# Altium PCB MBoard.PcbDoc (part 2 of 2) (continued)
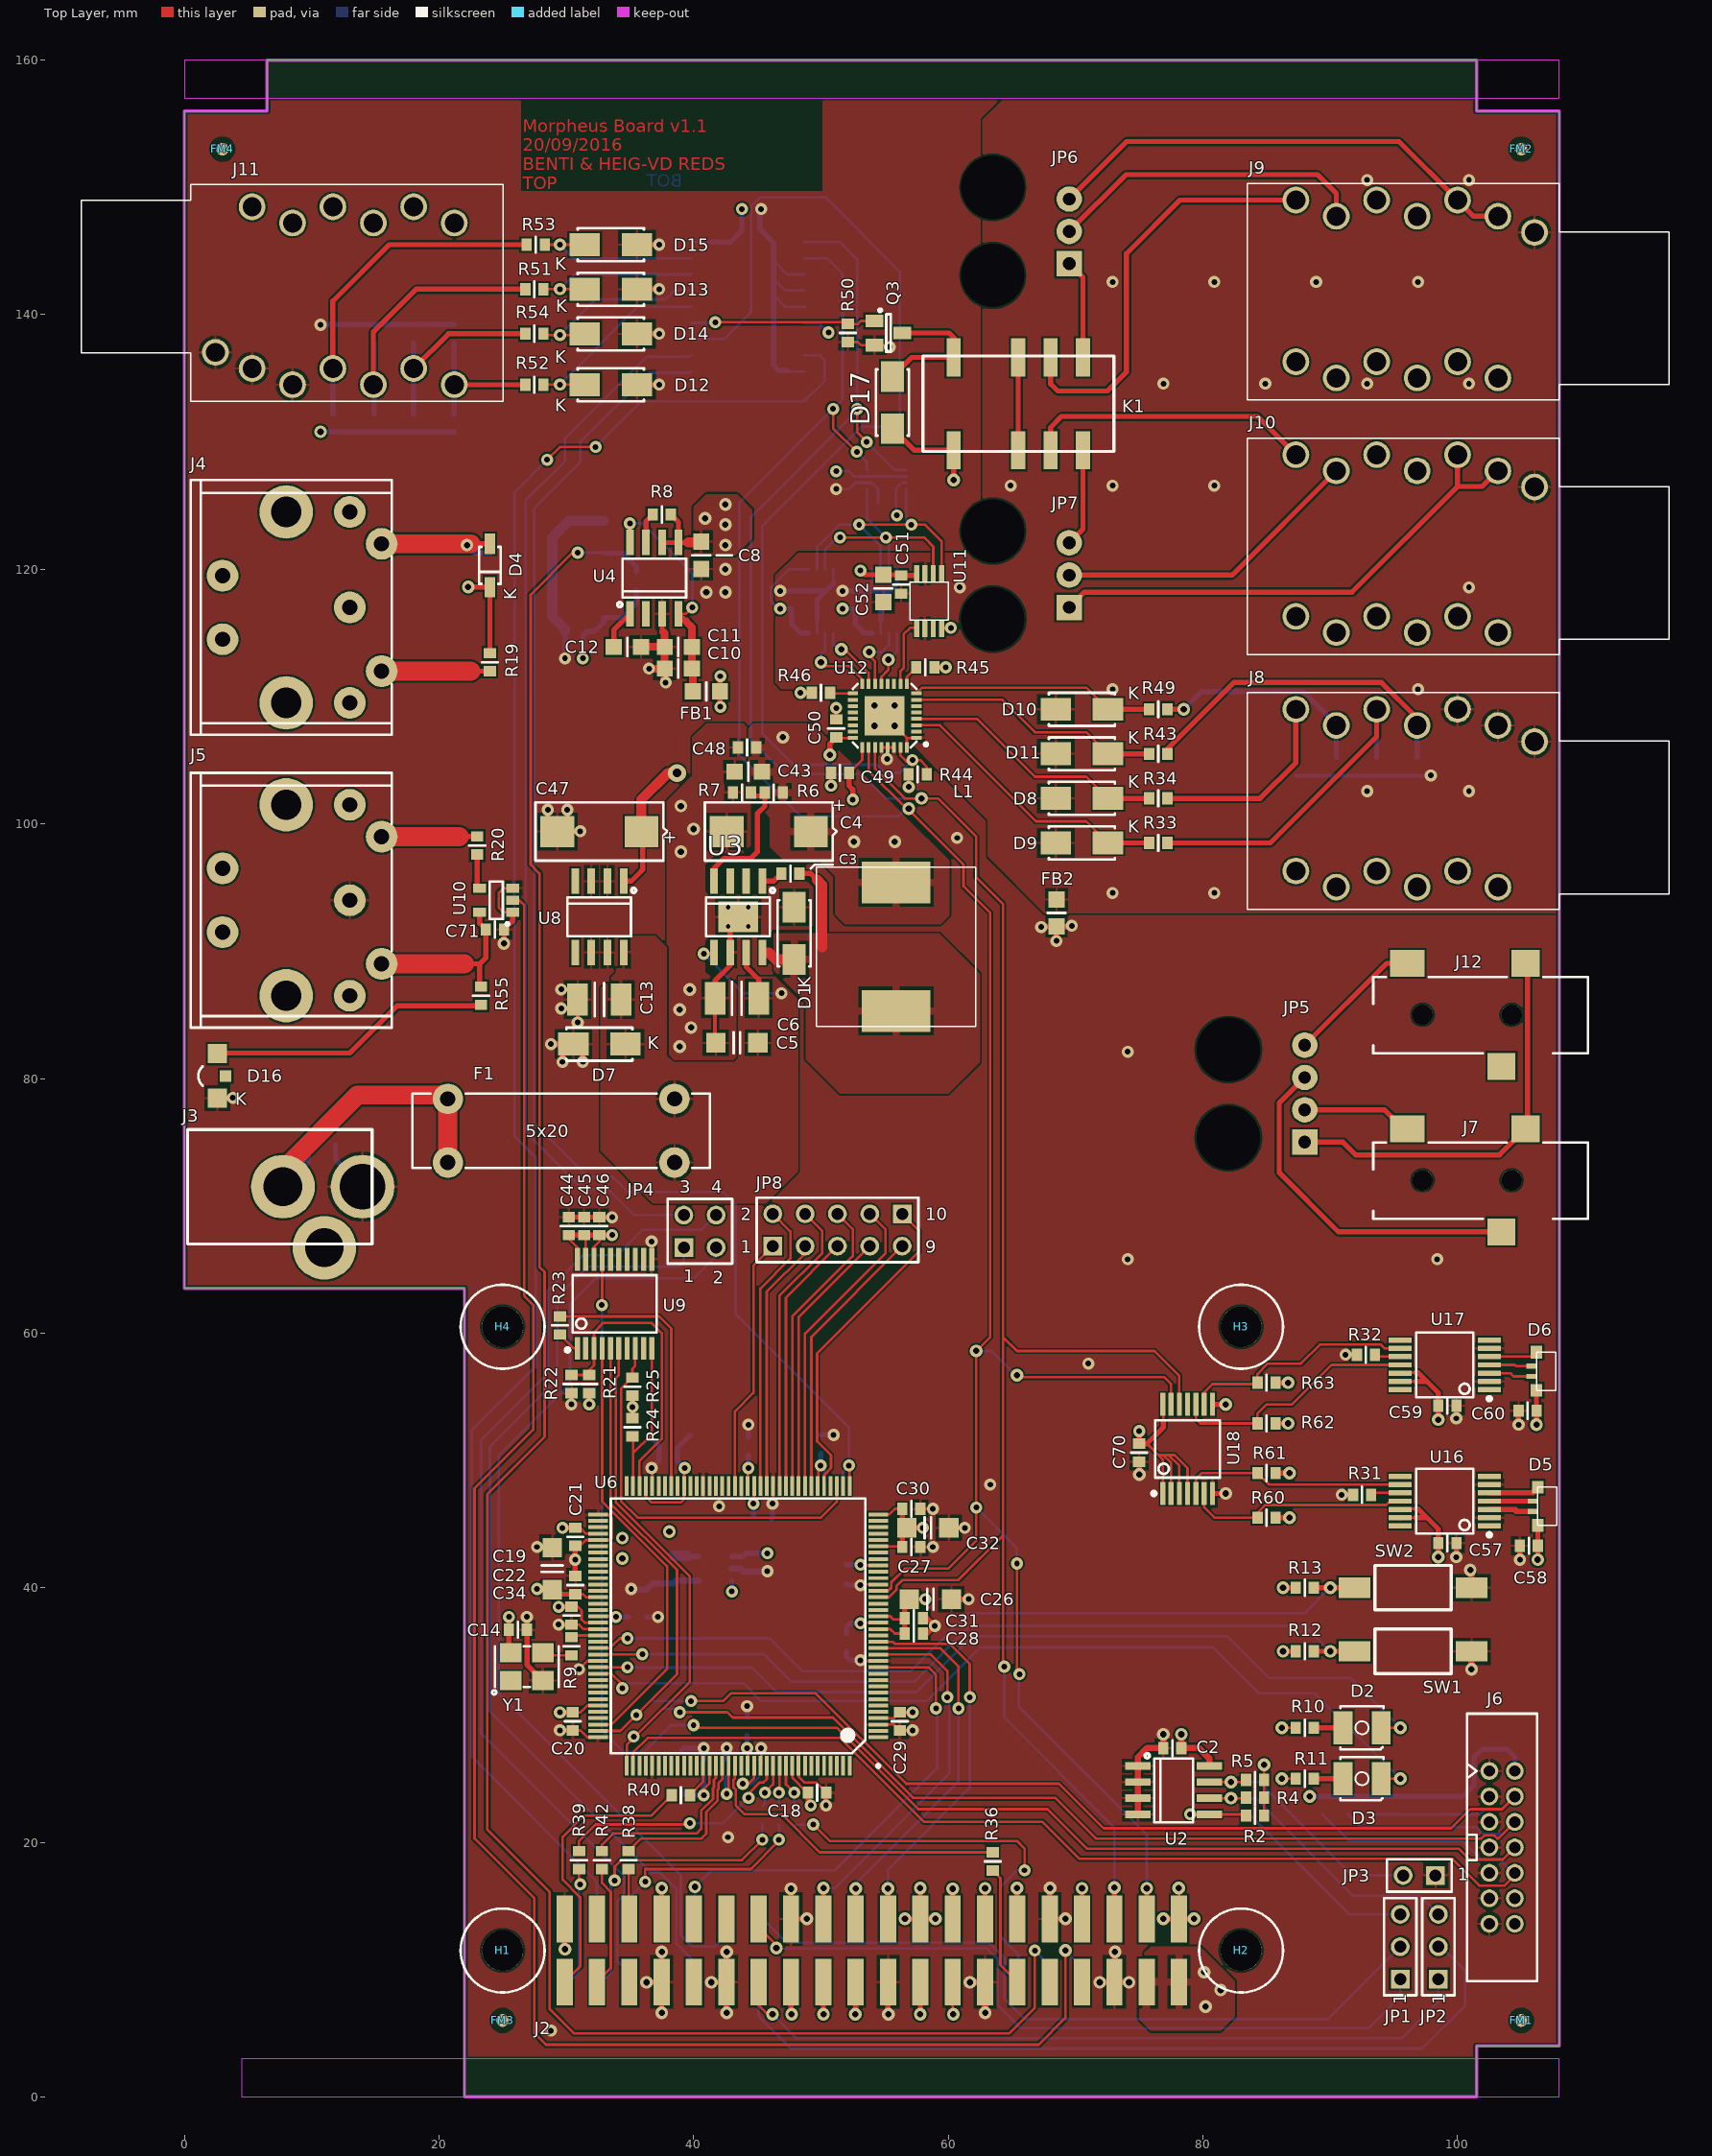
[diagram p0: Top Layer view]
## Nets (pads, with @x,y where several pads share a name; then routed paths per layer and width w, separated by ;. In a path a pad name is that pad's centre, name@x,y a point inside that pad or via, vN(x,y) a via of type N, cw(c..) or ccw(c..) an arc to the next point about the centre after c; other vN are vias at no path point) (continued)
  Top Layer w0.4: J11.RT@14.85,134.5 14.85,138.65 18.2,142 R51.1@26.789,142
  Bottom Layer w0.4: R30.2@14.9,132.211 C67.1@14.9,137.789
NetC68_1: C68.1 J11.TB R47.2 R54.1 | length 15.5
  Top Layer w0.4: J11.TB@18.02,135.77 20.75,138.5 R54.1@26.789,138.5
  Bottom Layer w0.4: R47.2@18,132.211 C68.1@18,137.789
NetC69_1: C69.1 J11.RB R48.2 R53.1 | length 28
  Top Layer w0.4: J11.RB@11.67,135.77 11.67,141.07 16.1,145.5 R53.1@26.889,145.5
  Bottom Layer w0.4: R48.2@11.7,132.211 11.67,132.241 J11.RB@11.67,135.77 11.67,137.759 C69.1@11.7,137.789
NetD2_1: D2.1 R10.2 | length 2.3
  Top Layer w0.4: R10.2@88.711,29 D2.1@91,29
NetD3_1: D3.1 R11.2 | length 2.3
  Top Layer w0.4: R11.2@88.711,25 D3.1@91,25
NetD4_1: D4.1 J4.5 U7.3 | length 10.6
  Top Layer w0.4: v2@22.5,122 D4.1@24,122
  Top Layer w1.5: J4.5@15.5,122 v2@22.5,122
  Bottom Layer w0.4: v2(22.2,121.9) 22.83,121.27 U7.3@24.05,121.27
NetD4_2: D4.2 R19.2 U7.2 | length 8.7
  Top Layer w0.4: v2(22.3,118.6) D4.2@24,118.6 R19.2@24,113.411
  Bottom Layer w0.4: v2(22.3,118.6) 23.92,118.6 U7.2@24.05,118.73
NetD5_1: D5.1 U16.5 | length 4.1
  Top Layer w0.4: U16.5@102.5,47.45 D5.1@105.95,47.45 ; 105.85,47.45 D5.1@106.3,47.9
NetD5_3: D5.3 U16.3 | length 3.6
  Top Layer w0.4: U16.3@102.5,46.15 104.55,46.15 ; 104.45,46.15 104.6,46 D5.3@105.9,46
NetD5_4: D5.4 U16.4 | length 3.5
  Top Layer w0.4: U16.4@102.5,46.8 D5.4@106,46.8
NetD6_1: D6.1 U17.5 | length 3.8
  Top Layer w0.2: U17.5@102.5,58.15 105.85,58.15 D6.1@106.2,58.5
NetD6_3: D6.3 U17.3 | length 3.4
  Top Layer w0.2: U17.3@102.5,56.85 104.15,56.85 104.4,56.6 D6.3@105.8,56.6
NetD6_4: D6.4 U17.4 | length 3.3
  Top Layer w0.2: U17.4@102.5,57.5 104.5,57.5 104.6,57.4 D6.4@105.8,57.4
NetD12_2: D12.2 R52.2 U1.14 | length 18
  Top Layer w0.2: R52.2@28.211,134.5 v1(29.5,134.5) ; v1(29.5,134.5) D12.2@31.45,134.5 v1(29.5,134.5)
  Bottom Layer w0.2: v1(29.5,134.5) 35.62,140.62 U1.14@39.81,140.62
NetD13_2: D13.2 R51.2 U1.16 | length 14
  Top Layer w0.2: R51.2@28.211,142 v1(29.5,142) D13.2@31.4,142
  Bottom Layer w0.2: v1(29.5,142) 30.66,143.16 U1.16@39.81,143.16
NetD14_2: D14.2 R54.2 U1.15 | length 15.1
  Top Layer w0.2: R54.2@28.211,138.5 28.311,138.4 v1(29.5,138.4) 31.35,138.4 D14.2@31.45,138.5
  Bottom Layer w0.2: v1(29.5,138.4) 32.3,141.2 37.8,141.2 38.49,141.89 U1.15@39.81,141.89
NetD15_2: D15.2 R53.2 U1.17 | length 13.9
  Top Layer w0.2: R53.2@28.311,145.5 D15.2@31.45,145.5
  Bottom Layer w0.2: v1(29.5,145.5) 30.57,144.43 U1.17@39.81,144.43
NetD16_2: D16.2 R55.2 | length 22.1
  Top Layer w0.4: D16.2@2.65,81.9 2.75,82 13,82 16.7,85.7 R55.2@23.2,85.7
NetD17_1: D17.1 K1.12 Q3.3 | length 11.2
  Top Layer w0.4: D17.1@55.626,135.146 57.125,136.645 K1.12@60.42,136.645 60.42,138.144 60.452,138.176 60.07,138.558 Q3.3@56.406,138.558
NetJ1_8: J1.8 U10.2 | length 145.4
  Top Layer w0.2: U10.2@25.8,94 26.3,94 26.7,93.6 26.7,62.9 27.4,62.2 27.4,52.4 22.8,47.8 22.8,20.3 27.5,15.6 27.5,5 28.4,4.1 67.1,4.1 69.2,6.2 v5(69.2,11.5)
  Bottom Layer w0.2: v5(69.2,11.5) 70.5,10.2 70.5,8.665 J1.8@70.51,8.675
NetJ1_10: J1.10 R18.2 U7.6 | length 173.5
  Top Layer w0.2: v1(30.9,121.3) 30.5,121.3 27.2,118 27.2,96.8 27.9,96.1 27.9,65.2 28.3,64.8 28.3,51.85 23.8,47.35 23.8,20.995 28.7,16.095 28.7,6.895 30.595,5 64.8,5 66.8,7 v4(66.8,11.5)
  Bottom Layer w0.2: v1(30.9,121.3) 32.92,121.3 U7.6@32.95,121.27 ; v4(66.8,11.5) 67.97,10.33 J1.10@67.97,8.675
  Bottom Layer w0.4: U7.6@32.95,121.27 34.43,121.27 35.5,120.2 R18.2@35.5,119.811
NetJ1_12: J1.12 R35.1 | length 31.4
  Top Layer w0.2: v1(49.4,21.4) 50.7,20.1 65.4,20.1 66,19.5 v1(66,17.8) v1@65.989,17.789
  Bottom Layer w0.2: R35.1@48,21.389 v1@49.4,21.389 ; J1.12@65.43,8.675 65.5,8.745 65.5,11.2 64.1,12.6 64.1,16.5 65.4,17.8 v1(66,17.8)
NetJ1_26: J1.26 J2.26 | length 4.7
  Top Layer w0.4: v2@47.65,6.5 J2.26@47.65,9.025
  Bottom Layer w0.4: J1.26@47.65,8.675 47.65,6.55 v2(47.7,6.5)
NetJ1_29: J1.29 JP4.2 | length 77.5
  Bottom Layer w0.2: JP4.2@41.77,66.73 41.77,66.049 40.021,64.3 32.3,64.3 30.3,62.3 30.3,56 24.7,50.4 24.7,31.7 39,17.4 39,12.7 39.9,11.8 41.64,11.8 42.57,12.73 J1.29@42.57,14.325
NetJ1_31: J1.31 U6.12 | length 37.3
  Top Layer w0.2: U6.12@54.5,33.75 58.45,33.75 59.041,33.159 v1(59.041,30.516)
  Bottom Layer w0.2: J1.31@40.03,14.325 40,14.355 40.1,14.455 v2(40.1,16.5) 41.4,17.8 51.1,17.8 59.134,25.834 59.134,30.516 v1(59.041,30.516)
NetJ1_32: J1.32 JP4.1 | length 75.6
  Bottom Layer w0.2: JP4.1@39.23,66.73 39.23,65.63 38.8,65.2 31.645,65.2 29.3,62.855 29.3,56.4 24,51.1 24,30.3 36.675,17.625 37.336,17.625 38.65,16.311 38.65,12.05 40.03,10.67 J1.32@40.03,8.675
NetJ1_35: J1.35 R37.1 | length 16.8
  Top Layer w0.2: v4(36.2,16.9) 36.2,17.889 44.489,17.889 46.7,20.1 v4(46.7,20.2)
  Bottom Layer w0.2: J1.35@34.95,14.325 34.95,15.65 v4(36.2,16.9) ; v4(46.7,20.2) R37.1@46.7,21.389
NetJ1_36: J1.36 JP4.4 | length 77.8
  Bottom Layer w0.2: J1.36@34.95,8.675 34.95,9.75 34,10.7 34,15.349 34.525,15.873 34.525,17.38 23.3,28.605 23.3,51.6 28.545,56.845 28.545,63.345 31.3,66.1 34,66.1 36,68.1 40.6,68.1 JP4.4@41.77,69.27
NetJ1_38: J1.38 R41.1 | length 23.7
  Top Layer w0.2: v1(33.8,17) 33.8,17.689 33.8,18.089 34.311,18.6 43.8,18.6 v4(45.4,20.2)
  Bottom Layer w0.2: J1.38@32.41,8.675 33.5,9.765 33.5,16.7 v1(33.8,17) ; v4(45.4,20.2) R41.1@45.4,21.389
NetJ1_40: J1.40 R39.1 | length 9.8
  Top Layer w0.2: R39.1@31,17.889 31,16.8 v1(31.1,16.7)
  Bottom Layer w0.2: J1.40@29.87,8.675 31,9.805 31,16.6 v1(31.1,16.7)
NetJ2_12: J2.12 R36.2 | length 9.6
  Top Layer w0.2: R36.2@63.5,17.789 64.1,17.189 64.1,10.355 J2.12@65.43,9.025
NetJ2_27: J2.27 JP1.1 | length 59.2
  Top Layer w0.2: J2.27@45.11,13.975 45.11,13.335 46.6,11.845 46.5,11.745 v5(46.5,11.7)
  Bottom Layer w0.2: v5(46.5,11.7) 46.5,11.785 46.515,11.8 46.665,11.65 63.05,11.65 63.9,10.8 63.9,7.2 65.7,5.4 93,5.4 95.5,7.9 JP1.1@95.5,9.26
NetJ2_28: J2.28 JP2.1 | length 59.6
  Top Layer w0.2: J2.28@45.11,9.025 45.11,7.19 46.1,6.2 46.2,6.3 v2(46.2,6.5)
  Bottom Layer w0.2: v2(46.2,6.5) 48.1,4.6 95.6,4.6 98.5,7.5 JP2.1@98.5,9.26
NetJ2_35: J2.35 R38.2 | length 3.9
  Top Layer w0.2: R38.2@34.9,17.889 34.9,14.025 J2.35@34.95,13.975
NetJ2_38: J2.38 R42.2 | length 9.6
  Top Layer w0.2: J2.38@32.41,9.025 33.504,10.119 33.504,16.1 32.808,16.796 R42.2@32.808,17.889
NetJ2_40: J2.40 R40.2 | length 22.4
  Top Layer w0.2: J2.40@29.87,9.025 31.1,10.255 31.1,15.675 29.718,17.057 29.718,20.426 31.39,22.098 36.687,22.098 R40.2@38.289,23.7
NetJ4_4: J4.4 R19.1 | length 8.5
  Top Layer w0.4: 22.5,112 23.989,112 R19.1@24,111.989
  Top Layer w1.5: J4.4@15.5,112 22.5,112
NetJ5_5: J5.5 R20.2 | length 7.5
  Top Layer w0.4: 21.6,99 21.611,99.011 R20.2@23,99.011 R20.2@22.989,99
  Top Layer w1.5: J5.5@15.5,99 21.6,99
NetJ7_1: J7.1 JP5.3 | length 27.7
  Top Layer w0.4: JP5.3@88,80.08 86,78.08 86,72.6 90.65,67.95 J7.1@103.45,67.95
NetJ7_4: J7.4 JP5.2 | length 8.7
  Top Layer w0.4: JP5.2@88,77.54 94.26,77.54 95.75,76.05 J7.4@96.05,76.05
NetJ7_5: J7.5 J12.5 JP5.1 | length 32
  Top Layer w0.4: JP5.1@88,75 91,75 92,74 103.3,74 J7.5@105.35,76.05 105.038,76.362 105.5,76.824 105.5,88.9 J12.5@105.35,89.05
NetJ9_SB: J9.SB J9.ST JP6.3 | length 38
  Top Layer w0.4: JP6.3@69.5,149.08 74.02,153.6 95.4,153.6 J9.ST@100,149 101.27,147.73 J9.SB@103.174,147.73
NetJ9_TB: J9.TB JP6.2 | length 25.2
  Top Layer w0.4: JP6.2@69.5,146.54 73.96,151 89,151 90.48,149.52 J9.TB@90.48,147.73
NetJ10_SB: J10.SB J10.ST JP7.1 | length 40.6
  Top Layer w0.4: JP7.1@69.5,117 70.7,118.2 91.7,118.2 100,126.5 ; J10.ST@100,129 100,126.5 ; J10.SB@103.174,127.73 101.944,126.5 100,126.5
NetJ10_TB: J10.TB JP7.2 | length 24.4
  Top Layer w0.4: JP7.2@69.5,119.54 82.29,119.54 J10.TB@90.48,127.73
NetJ12_4: J12.4 JP5.4 | length 10.7
  Top Layer w0.4: JP5.4@88,82.62 94.43,89.05 J12.4@96.05,89.05
NetJP3_2: JP3.2 R5.2 U2.7 | length 19.5
  Top Layer w0.2: U2.7@80.5,24.735 v6(82.2,24.735) 83.224,24.735 R5.2@83.389,24.9
  Bottom Layer w0.2: v6(82.2,24.735) 84.395,24.735 91.73,17.4 JP3.2@95.73,17.4
NetJP4_3: JP4.3 U1.11 | length 83.5
  Bottom Layer w0.2: JP4.3@39.23,69.27 35.33,69.27 33.3,71.3 31.3,71.3 26.8,75.8 26.8,125.4 29.905,128.505 29.905,130.305 36.31,136.71 39.71,136.71 U1.11@39.81,136.81
NetK1_3: K1.3 K1.10 | length 7.3
  Top Layer w0.4: K1.3@65.5,129.355 K1.10@65.5,136.645
NetQ3_1: Q3.1 R50.1 U1.13 | length 15.2
  Top Layer w0.2: v4(41.7,139.4) R50.1@52.106,139.4 ; R50.1@52.345,139.508 R50.1@52.106,139.269 52.909,139.269 53.148,139.508 Q3.1@54.206,139.508 Q3.1@53.967,139.269
  Bottom Layer w0.2: U1.13@39.81,139.35 41.65,139.35 v4(41.7,139.4)
NetR6_2: R6.2 R7.2 U3.4 | length 10.7
  Top Layer w0.4: U3.4@41.595,95.5 41.595,96.495 42.4,97.3 44.5,97.3 45,97.8 45,100.8 45.589,101.389 45.589,102.2 R7.2@44.511,102.2
NetR8_2: R8.2 U4.7 | length 2.4
  Top Layer w0.4: U4.7@36.265,122.1 36.265,123.776 R8.2@36.789,124.3
NetR9_1: R9.1 Y1.3 | length 2.3
  Top Layer w0.2: Y1.3@28.17,34.9 28.381,34.689 R9.1@30.4,34.689
NetR20_1: R20.1 U10.4 | length 2.6
  Top Layer w0.4: U10.4@23,94.95 R20.1@23,97.589
NetR23_2: R23.2 U9.1 | length 1.8
  Top Layer w0.2: R23.2@29.5,59.889 30.589,58.8 U9.1@30.875,58.8
NetR31_2: R31.2 U16.10 | length 2.4
  Top Layer w0.2: R31.2@93.211,47.3 93.361,47.45 U16.10@95.5,47.45
NetR32_2: R32.2 U17.10 | length 2
  Top Layer w0.2: R32.2@93.5,58.211 93.561,58.15 U17.10@95.5,58.15
NetR35_2: R35.2 U6.134 | length 3.5
  Top Layer w0.2: U6.134@47.25,26 47.25,24.55 v7(47.9,23.9)
  Bottom Layer w0.2: v7(47.9,23.9) 47.9,22.911 R35.2@48,22.811
NetR36_1: R36.1 U6.126 | length 24.9
  Top Layer w0.2: U6.126@43.25,26 43.25,25.015 43.135,24.9 43.135,24.3 43.325,24.11 43.325,22.875 43.989,22.211 46.9,22.211 49.9,19.211 R36.1@63.5,19.211
NetR37_2: R37.2 U6.133 | length 3.2
  Top Layer w0.2: v7(46.7,23.9) 46.75,23.95 U6.133@46.75,26
  Bottom Layer w0.2: R37.2@46.7,22.811 v7(46.7,23.9)
NetR38_1: R38.1 U6.124 | length 12.5
  Top Layer w0.2: R38.1@34.9,19.311 35.889,20.3 40.628,20.3 41,20.672 41,22.38 41.875,23.255 41.875,24.1 41.95,24.175 41.95,24.65 42.25,24.95 U6.124@42.25,26
NetR39_2: R39.2 U6.131 | length 18.8
  Top Layer w0.2: R39.2@31,19.311 31,20.1 32.3,21.4 39.7,21.4 v1(39.7,21.5) ; v7(44.316,23.5) 44.316,23.816 45.2,24.7 45.5,24.7 45.75,24.95 U6.131@45.75,26
  Bottom Layer w0.2: v1(39.7,21.5) 42.316,21.5 v7(44.316,23.5)
NetR40_1: R40.1 U6.121 | length 2.7
  Top Layer w0.2: R40.1@39.711,23.7 40.75,24.739 U6.121@40.75,26
NetR41_2: R41.2 U6.132 | length 3.5
  Top Layer w0.2: v7(45.6,23.9) 46.25,24.55 U6.132@46.25,26
  Bottom Layer w0.2: R41.2@45.4,22.811 45.6,23.011 v7(45.6,23.9)
NetR42_1: R42.1 U6.123 | length 14.2
  Top Layer w0.2: R42.1@32.808,19.311 32.808,19.819 33.689,20.7 40.248,20.7 40.6,21.052 40.6,22.475 41.525,23.4 41.525,24.245 41.6,24.32 41.6,24.9 41.75,25.05 U6.123@41.75,26
NetR45_1: R45.1 U12.9 | length 1.6
  Top Layer w0.2: U12.9@56.75,111 56.75,111.539 R45.1@57.5,112.289
NetR46_2: R46.2 U12.17 | length 1.8
  Top Layer w0.2: R46.2@50.711,110.3 50.761,110.25 U12.17@52.5,110.25
PEDAL_IN_R: C63.1 J8.RT R33.1 | length 25.9
  Top Layer w0.4: R33.1@77.211,98.5 85.3,98.5 93.65,106.85 J8.RT@93.65,109
  Bottom Layer w0.4: C63.1@93.6,105.211 93.65,105.261 J8.RT@93.65,109
PEDAL_IN_R_F: D9.2 R33.2 U12.3 | length 22.1
  Top Layer w0.2: U12.3@57.5,107.75 59.35,107.75 66.9,100.2 70.85,100.2 D9.2@72.55,98.5
  Top Layer w0.4: D9.2@72.55,98.5 R33.2@75.789,98.5
PEDAL_IN_T: C62.1 J8.TT R34.1 | length 19.2
  Top Layer w0.4: R34.1@77.211,102 84.5,102 87.3,104.8 J8.TT@87.3,109
  Bottom Layer w0.4: C62.1@87.3,105.211 J8.TT@87.3,109
PEDAL_IN_T_F: D8.2 R34.2 U12.4 | length 20.9
  Top Layer w0.2: U12.4@57.5,108.25 62.25,108.25 66.8,103.7 70.85,103.7 D8.2@72.55,102
  Top Layer w0.4: D8.2@72.55,102 R34.2@75.789,102
PEDAL_OUT_R: C65.1 J8.RB R43.1 | length 26.4
  Top Layer w0.4: R43.1@77.211,105.5 77.211,105.896 82.415,111.1 94.035,111.1 96.83,108.305 J8.RB@96.83,107.73
  Bottom Layer w0.4: C65.1@96.8,105.211 96.83,105.241 J8.RB@96.83,107.73
PEDAL_OUT_R_F: D11.2 R43.2 U12.7 | length 20
  Top Layer w0.2: U12.7@57.5,109.75 64.25,109.75 66.8,107.2 70.85,107.2 D11.2@72.55,105.5
  Top Layer w0.4: D11.2@72.55,105.5 R43.2@75.789,105.5
PEDAL_OUT_T: C64.1 J8.TB R49.1 | length 17.7
  Top Layer w0.4: R49.1@77.211,109 v6(78.5,109) ; J8.TB@90.35,107.6 J8.TB@90.48,107.73
  Bottom Layer w0.4: v6(78.5,109) 79.9,110.4 87.88,110.4 90.48,107.8 J8.TB@90.48,107.73 90.48,105.231 C64.1@90.5,105.211
PEDAL_OUT_T_F: D10.2 R49.2 U12.8 | length 19.2
  Top Layer w0.2: U12.8@57.5,110.25 57.95,110.7 70.85,110.7 D10.2@72.55,109
  Top Layer w0.4: D10.2@72.55,109 R49.2@75.789,109
POT_10K_A: U12.13 U13.5 | length 4.5
  Top Layer w0.2: U12.13@54.75,111 54.75,111.55 55.3,112.1 v2(55.3,112.9)
  Bottom Layer w0.2: v2(55.3,112.9) 55.35,112.9 55.975,113.525 U13.5@55.975,115
POT_10K_W: U12.14 U13.6 | length 5.4
  Top Layer w0.2: v9(53.8,113.5) 53.8,113.2 54.25,112.75 U12.14@54.25,111
  Bottom Layer w0.2: v9(53.8,113.5) 54.8,113.5 55.325,114.025 U13.6@55.325,115
POT_50K_A: U12.15 U15.5 | length 5.4
  Top Layer w0.2: v2(51.6,113.7) 51.9,113.7 53.75,111.85 U12.15@53.75,111
  Bottom Layer w0.2: U15.5@50.975,115 50.975,114.125 51.4,113.7 v2(51.6,113.7)
POT_50K_W: U12.16 U15.6 | length 6.6
  Top Layer w0.2: v2(50,112.7) 50.3,112.4 52.2,112.4 53.25,111.35 U12.16@53.25,111
  Bottom Layer w0.2: v2(50,112.7) 50,113.3 50.325,113.625 U15.6@50.325,115
SPI_BUS.MISO: J1.21 J2.21 U6.15 | length 32.1
  Top Layer w0.2: U6.15@54.5,35.25 59.35,35.25 60.809,33.791 v1(60.809,30.516)
  Top Layer w0.4: J2.21@52.73,13.975 v2(52.73,16.37)
  Bottom Layer w0.2: v2(52.73,16.37) 52.73,16.73 60.809,24.809 v1(60.809,30.516)
  Bottom Layer w0.4: J1.21@52.73,14.325 v2(52.73,16.37)
SPI_BUS.MOSI: J1.19 J2.19 U6.16 | length 32.7
  Top Layer w0.2: U6.16@54.5,35.75 55.65,35.75 55.8,35.6 60.1,35.6 61.693,34.007 v1(61.693,31.4)
  Top Layer w0.4: J2.19@55.27,13.975 v2(55.27,16.37)
  Bottom Layer w0.2: v2(55.27,16.37) 55.27,17.87 61.693,24.293 v1(61.693,31.4)
  Bottom Layer w0.4: J1.19@55.27,14.325 v2(55.27,16.37)
SPI_BUS.SCLK: J1.23 J2.23 U6.14 | length 32.2
  Top Layer w0.2: U6.14@54.5,34.75 58.65,34.75 59.925,33.475 v1(59.925,31.4)
  Top Layer w0.4: J2.23@50.19,13.975 50.2,13.985 v2(50.2,16.4)
  Bottom Layer w0.2: v2(50.2,16.4) 51.1,16.4 60.084,25.384 60.084,31.241 v1(59.925,31.4)
  Bottom Layer w0.4: J1.23@50.19,14.325 50.2,14.335 v2(50.2,16.4)
SW8X8_NRESET: R44.2 U1.12 U12.31 | length 87.6
  Top Layer w0.2: U12.31@56.2,106.1 56.25,106.05 U12.31@56.25,106 56.25,105.35 56.7,104.9 57.084,104.9 v3(57.191,105.008) 57.792,105.008 58.311,104.489 R44.2@58.311,103.9
  Bottom Layer w0.2: U1.12@39.81,138.08 42.38,138.08 44.525,140.225 44.525,148.55 45.175,149.2 50.4,149.2 56.2,143.4 56.2,132.1 55.3,131.2 53.2,131.2 45.4,123.4 45.4,107.1 47.85,104.65 54.345,104.65 54.995,104 56.184,104 v3(57.191,105.008)
SW_USER_1: R12.2 SW1.2 U6.95 | length 64.3
  Top Layer w0.2: U6.95@32.5,34.75 35.95,34.75 v3(35.975,34.775)
  Top Layer w0.4: R12.2@88.711,35 SW1.2@91.9,35
  Bottom Layer w0.2: v3(35.975,34.775) 45.475,34.775 45.5,34.8 47.7,32.6 57.3,32.6 61.7,37 88,37 v2(90,35)
SW_USER_2: R13.2 SW2.2 U6.94 | length 64.8
  Top Layer w0.2: U6.94@32.5,35.25 33.425,35.25 33.7,35.525 34.2,36.025 v3(34.8,36.025)
  Top Layer w0.4: R13.2@88.711,40 SW2.2@91.9,40
  Bottom Layer w0.2: v3(34.8,36.025) 45.975,36.025 48.551,33.449 57.049,33.449 61.6,38 88,38 v2(90,40)
VIN: C61.1 F1.1 J3.2 | length 26.2
  Top Layer w1.5: J3.2@7.75,71.5 7.75,72.85 13.6,78.7 20.7,78.7 F1.1@20.7,73.301
  Bottom Layer w0.4: J3.2@7.75,71.5 9.733,73.483 C61.1@9.733,74.8
pads on no net: D16.0 FM1.NC FM2.NC FM3.NC FM4.NC FM5.NC FM6.NC FM7.NC FM8.NC H1.1 H2.1 H3.1 H4.1 J2.8 J2.10 J2.29 J2.31 J2.32 J2.36 J2.37 J3.3 J4.1 J4.2 J4.3 J4.6 J4.7 J4.8 J4.9 J5.1 J5.3 J5.6 J5.7 J5.8 J5.9 J6.12 J6.14 J7.0 J8.RNB J8.RNT J8.SNB J8.SNT J8.TNB J8.TNT J9.RB J9.RNB J9.RNT J9.RT J9.SNB J9.SNT J9.TNB J9.TNT J10.RB J10.RNB J10.RNT J10.RT J10.SNB J10.SNT J10.TNB J10.TNT J11.RNB J11.RNT J11.SNB J11.SNT J11.TNB J11.TNT J12.0 J12.1 JP5.H JP6.H JP7.H U1.7 U3.2 U3.3 U4.2 U6.1 U6.2 U6.5 U6.6 U6.7 U6.8 U6.9 U6.10 U6.11 U6.17 U6.21 U6.22 U6.26 U6.27 U6.29 U6.30 U6.32 U6.33 U6.34 U6.35 U6.38 U6.40 U6.56 U6.57 U6.58 U6.59 U6.61 U6.62 U6.64 U6.66 U6.67 U6.72 U6.74 U6.75 U6.78 U6.79 U6.80 U6.81 U6.82 U6.83 U6.84 U6.85 U6.87 U6.88 U6.93 U6.99 U6.100 U6.101 U6.102 U6.104 U6.105 U6.111 U6.112 U6.114 U6.115 U6.116 U6.117 U6.118 U6.119 U6.120 U6.127 U6.137 U6.138 U6.139 U6.140 U6.141 U6.142 U6.143 U6.144 U7.1 U7.4 U7.7 U8.4 U8.5 U9.2 U9.7 U9.9 U9.12 U9.13 U9.14 U9.15 U9.16 U11.3 U12.2 U12.5 U12.6 U12.11 U12.12 U12.18 U12.19 U12.20 U12.21 U12.22 U12.23 U16.1 U16.7 U16.8 U16.14 U17.1 U17.7 U17.8 U17.14 U18.11 Y1.1

## Polygon pours and split planes (outlines as drawn)
DGND on Top Layer "DGND_L01_P040" (solid, remove dead copper, pour order 40): 0,160 108,160 108,0 0,0 0,160
3V3 on Top Layer "3V3_L01_P034" (solid, remove dead copper, pour order 34): 40,121.1 43.3,121.1 44.6,122.4 44.6,124.7 43.4,125.9 41,125.9 40,124.9 40,121.1
DGND on Top Layer "DGND_L01_P026" (solid, remove dead copper, pour order 26): 43.5,81.6 43.2,81.3 38.4,81.3 37.9,81.8 37.9,90.3 37.9,101.8 39.9,103.8 39.9,106.8 41,107.9 43.9,107.9 44.5,107.3 44.5,98.3 43.9,97.7 41.8,97.7 40.9,96.8 40.9,94.7 41.2,94.4 45,94.4 46.1,95.5 48.9,95.5 49.4,95 49.4,92 49.1,91.7 46.2,91.7 45.7,91.2 41.3,91.2 40.9,90.8 40.9,88.4 41.3,88 42.7,88 43.5,87.2 43.5,82.9
5V on Top Layer "5V_L01_P024" (solid, remove dead copper, pour order 24): 44.3,107.5 44.3,102.2 46,100.5 46,99.7 46,98.2 47,97.2 47.2,97 50,97 51.1,95.9 51.1,94.2 51.1,92.9 51.9,92.1 59.4,92.1 60.1,92.8 60.1,97.1 49.3,107.9 44.8,107.9 44.7,107.9
NetC3_2 on Top Layer "NETC3_2_L01_P022" (solid, remove dead copper, pour order 22): 46.3,91.4 59.3,91.4 62.5,88.2 62.5,81.3 60,78.8 51.5,78.8 48.8,81.5 48.8,84.2 48.8,86 46.9,87.9 46.3,88.5
AGND on Top Layer "Top Layer-No Net" (solid, remove dead copper, pour order 14): 108,160.2 67.6,160.2 62.7,155.3 62.7,121.2 62.6,121.3 48.2,121.3 46.4,119.5 46.4,113 46.4,111.1 46.9,110.6 56.8,110.6 56.8,106.6 63.1,100.3 63.1,97.45 67.55,93 70.4,93 108,93
DC_IN on Top Layer "Top Layer-No Net" (solid, remove dead copper, pour order 2): 33.9,91.2 37,91.2 37.9,90.3 37.9,81.8 38.4,81.3 43.2,81.3 43.5,81.6 43.5,88 46.4,88 48.2,86.2 48.2,72.7 45.7,70.2 36.8,70.2 32.7,74.3 32.7,87.1 33.9,88.3
5V on Top Layer "Top Layer-5V" (solid, remove dead copper, pour order 20): 75,10.9 75.9,11.8 77.7,11.8 79.8,11.8 81.6,10 82.5,9.1 82.5,6.3 81.4,5.2 75.9,5.2 75,6.1 75,7.2 75,7.7
DGND on Bottom Layer "DGND_L04_P042" (solid, remove dead copper, pour order 42): 0,160 108,160 108,0 0,0 0,160
+1V2 on Bottom Layer "+1V2_L04_P032" (solid, remove dead copper, pour order 32): 39,43.1 39,44.8 38.2,45.6 34.1,45.6 33.4,44.9 33.4,42 34.1,41.3 38.7,41.3 39,41.6
5V on Bottom Layer "Top Layer-5V" (solid, remove dead copper, pour order 30): 75,10.85 75.9,11.75 77.7,11.75 79.8,11.75 81.6,9.95 82.5,9.05 82.5,6.4 75,6.4 75,7.15 75,7.65
AGND on Bottom Layer "Top Layer-No Net" (solid, remove dead copper, pour order 28): 108,160.2 67.6,160.2 62.7,155.3 62.7,121.2 62.6,121.3 48.2,121.3 46.4,119.5 46.4,113 46.4,111.1 46.9,110.6 56.8,110.6 56.8,107.8 63.1,101.5 63.1,97.45 67.55,93 70.4,93 108,93
AGND on Ground Plane (split plane): 100.99,156 100.999,155.9 101.028,155.805 101.076,155.716 101.139,155.639 101.216,155.576 101.305,155.528 101.4,155.499 101.5,155.49 107.49,155.49 107.49,93.102 67.542,93.102 63.202,97.442 63.202,100.3 63.194,100.339 63.172,100.372 57.528,106.016 57.495,106.038 57.456,106.046 51.498,106.046 46.502,111.042 46.502,119.458 48.142,121.098 62.7,121.098 62.739,121.106 62.772,121.128 62.794,121.161 62.802,121.2 62.802,132.624 62.82,132.65 62.829,132.7 62.829,155.346 66.973,159.49 100.99,159.49
DGND on Ground Plane (split plane): 62.608,155.492 62.58,155.45 62.571,155.4 62.571,132.7 62.58,132.65 62.598,132.624 62.598,121.302 48.1,121.302 48.061,121.294 48.028,121.272 46.328,119.572 46.306,119.539 46.298,119.5 46.298,111 46.306,110.961 46.328,110.928 51.384,105.872 51.417,105.85 51.456,105.842 57.414,105.842 62.998,100.258 62.998,97.4 63.006,97.361 63.028,97.328 67.428,92.928 67.461,92.906 67.5,92.898 107.49,92.898 107.49,4.51 101.5,4.51 101.4,4.501 101.305,4.472 101.216,4.424 101.139,4.361 101.076,4.284 101.028,4.195 100.999,4.1 100.99,4 100.99,0.51 22.51,0.51 22.51,63.5 22.501,63.6 22.472,63.695 22.424,63.784 22.361,63.861 22.284,63.924 22.195,63.972 22.1,64.001 22,64.01 0.51,64.01 0.51,155.49 6.5,155.49 6.6,155.499 6.695,155.528 6.784,155.576 6.861,155.639 6.924,155.716 6.972,155.805 7.001,155.9 7.01,156 7.01,159.49 66.606,159.49
8V on Power Plane (split plane): 51.898,105.158 51.898,103.942 50.758,102.802 37.442,102.802 37.102,103.142 37.102,104.658 37.542,105.098 47.6,105.098 47.639,105.106 47.672,105.128 48.642,106.098 50.958,106.098
+1V2 on Power Plane (split plane): 54.898,45.958 54.898,28.742 52.358,26.202 42.142,26.202 41.302,27.042 41.302,28.458 42.992,30.148 48.75,30.148 48.789,30.156 48.822,30.178 50.972,32.328 50.994,32.361 51.002,32.4 51.002,41.9 50.994,41.939 50.972,41.972 48.572,44.372 48.539,44.394 48.5,44.402 42.05,44.402 42.011,44.394 41.978,44.372 39.678,42.072 39.656,42.039 39.648,42 39.648,37.892 37.758,36.002 33.242,36.002 31.852,37.392 31.852,45.308 34.542,47.998 52.858,47.998
3V3 on Power Plane (split plane): 100.99,156 100.999,155.9 101.028,155.805 101.076,155.716 101.139,155.639 101.216,155.576 101.305,155.528 101.4,155.499 101.5,155.49 107.49,155.49 107.49,72.102 81.542,72.102 64.302,89.342 64.302,108.3 64.302,121.3 64.294,121.339 64.272,121.372 59.572,126.072 59.539,126.094 59.5,126.102 50,126.102 49.961,126.094 49.928,126.072 47.128,123.272 47.106,123.239 47.098,123.2 47.098,121.442 40.428,114.772 40.406,114.739 40.398,114.7 40.398,105.302 37.5,105.302 37.461,105.294 37.428,105.272 36.928,104.772 36.906,104.739 36.898,104.7 36.898,103.1 36.906,103.061 36.928,103.028 37.328,102.628 37.361,102.606 37.4,102.598 50.8,102.598 50.839,102.606 50.872,102.628 52.072,103.828 52.094,103.861 52.102,103.9 52.102,105.158 54.042,107.098 56.258,107.098 57.698,105.658 57.698,101.442 56.258,100.002 21.4,100.002 21.361,99.994 21.328,99.972 14.128,92.772 14.106,92.739 14.098,92.7 14.098,86.8 14.106,86.761 14.128,86.728 16.528,84.328 16.561,84.306 16.6,84.298 19.9,84.298 19.939,84.306 19.972,84.328 29.542,93.898 49.458,93.898 51.198,92.158 51.198,89.3 51.198,80.5 51.206,80.461 51.228,80.428 73.028,58.628 73.061,58.606 73.1,58.598 81.858,58.598 83.898,56.558 83.898,45 83.906,44.961 83.928,44.928 86.374,42.482 86.38,42.45 86.408,42.408 91.398,37.419 91.398,22.081 88.846,19.529 75.35,19.529 75.325,19.525 75.3,19.529 75.25,19.52 75.208,19.492 70.008,14.292 69.98,14.25 69.971,14.2 69.971,0.51 22.51,0.51 22.51,63.5 22.501,63.6 22.472,63.695 22.424,63.784 22.361,63.861 22.284,63.924 22.195,63.972 22.1,64.001 22,64.01 0.51,64.01 0.51,155.49 6.5,155.49 6.6,155.499 6.695,155.528 6.784,155.576 6.861,155.639 6.924,155.716 6.972,155.805 7.001,155.9 7.01,156 7.01,159.49 100.99,159.49
5V on Power Plane (split plane): 64.098,121.258 64.098,108.3 64.098,89.3 64.106,89.261 64.128,89.228 81.428,71.928 81.461,71.906 81.5,71.898 107.49,71.898 107.49,4.51 101.5,4.51 101.4,4.501 101.305,4.472 101.216,4.424 101.139,4.361 101.076,4.284 101.028,4.195 100.999,4.1 100.99,4 100.99,0.51 70.229,0.51 70.229,14.146 75.354,19.271 88.9,19.271 88.95,19.28 88.992,19.308 91.592,21.908 91.62,21.95 91.629,22 91.62,22.05 91.602,22.076 91.602,37.424 91.62,37.45 91.629,37.5 91.62,37.55 91.592,37.592 86.592,42.592 86.55,42.62 86.518,42.626 84.102,45.042 84.102,56.6 84.094,56.639 84.072,56.672 81.972,58.772 81.939,58.794 81.9,58.802 73.142,58.802 51.402,80.542 51.402,89.3 51.402,92.2 51.394,92.239 51.372,92.272 49.572,94.072 49.539,94.094 49.5,94.102 29.5,94.102 29.461,94.094 29.428,94.072 19.858,84.502 16.642,84.502 14.302,86.842 14.302,92.658 21.442,99.798 56.3,99.798 56.339,99.806 56.372,99.828 57.872,101.328 57.894,101.361 57.902,101.4 57.902,105.7 57.894,105.739 57.872,105.772 56.372,107.272 56.339,107.294 56.3,107.302 54,107.302 53.961,107.294 53.928,107.272 52,105.344 51.072,106.272 51.039,106.294 51,106.302 48.6,106.302 48.561,106.294 48.528,106.272 47.558,105.302 40.602,105.302 40.602,114.658 47.272,121.328 47.294,121.361 47.302,121.4 47.302,123.158 50.042,125.898 59.458,125.898

## Keep-outs
Top Layer:
  rectangle: 0,157 108,160
  rectangle: 4.5,0 108,3
Bottom Layer:
  rectangle: 0,157 108,160
  rectangle: 4.5,0 108,3
Keep-Out Layer:
  lines w0.254: 0,63.5 0,156 6.5,156 6.5,158 6.5,160 101.5,160 101.5,156 108,156 108,4 101.5,4 101.5,3.5 101.5,0 22,0 22,63.5 4.5,63.5 0,63.5

## Other copper
Top Layer:
  text "Morpheus Board v1.1 / 20/09/2016 / BENTI & HEIG-VD REDS / TOP" at 26.6,149.85 h1
Bottom Layer:
  text "BOT" at 39.15,150.05 h1
Ground Plane (plane layer: these items are gaps in the copper):
  lines w0.2: 62.7,132.7 62.7,121.2 51.2,121.2 48.1,121.2 46.4,119.5 46.4,111 51.456,105.944 57.456,105.944 63.1,100.3 63.1,97.4 67.5,93 108,93 ; 108,111.5 108,146.5
  lines w0.254: 62.7,132.7 62.7,155.4 67.1,159.8 108,159.8 108,155.9
  text "GND" at 30.05,150.05 h1
Power Plane (plane layer: these items are gaps in the copper):
  lines w0: 84.5,50.975 85.1,51.575
  lines w0.2: 40.5,105.2 40.5,114.7 47.2,121.4 47.2,123.2 50,126 59.5,126 64.2,121.3 64.2,108.3 64.2,89.3 81.5,72 89,72 108,72 108,64.5 ; 86.5,42.5 84,45 84,56.6 81.9,58.7 73.1,58.7 51.3,80.5 51.3,89.3 51.3,92.2 49.5,94 38.7,94 29.5,94 19.9,84.4 16.6,84.4 14.2,86.8 14.2,92.7 21.4,99.9 40.8,99.9 50.3,99.9 56.3,99.9 57.8,101.4 57.8,105.7 56.3,107.2 54,107.2 52,105.2 ; 91.5,22 91.5,37.5 ; 52,105.2 52,103.9 50.8,102.7 47.9,102.7 37.4,102.7 37,103.1 37,104.7 37.5,105.2 47.6,105.2 48.6,106.2 51,106.2 52,105.2 ; 31.75,37.35 31.75,45.35 34.5,48.1 52.9,48.1 55,46 55,28.7 52.4,26.1 42.1,26.1 41.2,27 41.2,28.5 42.95,30.25 48.75,30.25 50.9,32.4 50.9,41.9 48.5,44.3 42.05,44.3 39.75,42 39.75,37.85 37.8,35.9 33.2,35.9 31.75,37.35
  lines w0.254: 70.1,0 70.1,14.2 75.3,19.4 ; 75.35,19.4 88.9,19.4 91.5,22 ; 86.5,42.5 91.5,37.5
  text "POW" at 33.35,150.05 h1

## Silkscreen, mask and mechanical layers (free items; w line width, h text height)
Top Overlay:
  lines w0.2: 41.8,121.1 43,121.1 ; 49.2,96.5 49.5,96.8 50.925,96.8
Top Solder:
  text "Morpheus Board v1.0 / 18/05/2016 / BENTI & HEIG-VD REDS / TOP" at 26.6,149.85 h1
Bottom Solder:
  text "BOT" at 39.15,150.05 h1
Mechanical 1:
  lines w0.254: 0,63.5 4.5,63.5 22,63.5 22,0 101.5,0 101.5,3.5 101.5,4 108,4 108,156 101.5,156 101.5,160 6.5,160 6.5,158 6.5,156 0,156 0,63.5

## Text inside footprints (layer, text, board x,y; h text height)
C4: Top Overlay "+" at 52.025,101.875 h1 r180; Mechanical 13 "+" at 52.025,99.35 h1.14 r180
C47: Top Overlay "+" at 38.725,99.35 h1 r180; Mechanical 13 "+" at 38.725,99.35 h1.14 r180
D1: Top Overlay "K" at 49.2,87.1 h1 r90; Mechanical 13 "K" at 48.65,87.8 h1 r270
D4: Top Overlay "K" at 26.1,117.6 h1 r90; Mechanical 13 "K" at 24.725,118.025 h1 r270
D7: Top Overlay "K" at 36.4,82.3 h1; Mechanical 13 "K" at 36.2,83.45 h1
D8: Top Overlay "K" at 74.1,102.8 h1; Mechanical 13 "K" at 74.1,102.75 h1
D9: Top Overlay "K" at 74.1,99.3 h1; Mechanical 13 "K" at 74.1,99.25 h1
D10: Top Overlay "K" at 74.1,109.8 h1; Mechanical 13 "K" at 74.1,109.75 h1
D11: Top Overlay "K" at 74.1,106.3 h1; Mechanical 13 "K" at 74.1,106.25 h1
D12: Top Overlay "K" at 29.1,132.4 h1; Mechanical 13 "K" at 29.9,133.75 h1 r180
D13: Top Overlay "K" at 29.2,140.2 h1; Mechanical 13 "K" at 29.9,141.25 h1 r180
D14: Top Overlay "K" at 29.1,136.2 h1; Mechanical 13 "K" at 29.9,137.75 h1 r180
D15: Top Overlay "K" at 29.1,143.5 h1; Mechanical 13 "K" at 29.9,144.75 h1 r180
D16: Top Overlay "K" at 4,77.9 h1
D17: Mechanical 13 "K" at 56.376,129.496 h1 r270
F1: Top Overlay "5x20" at 26.806,75.393 h1
JP1: Top Overlay "1" at 95.975,7.25 h1 r90
JP2: Top Overlay "1" at 99.025,7.25 h1 r90
JP3: Top Overlay "1" at 100,17 h1; Mechanical 13 "1" at 100.302,17.908 h0.95 r180
JP4: Mechanical 11 "1" at 39.754,64.218 h0.95 r90; Mechanical 11 "2" at 42.294,64.218 h0.95 r90; Mechanical 11 "3" at 39.627,71.231 h0.95 r90; Mechanical 11 "4" at 42.167,71.231 h0.95 r90; Top Overlay "1" at 39.2,64 h1; Top Overlay "2" at 41.5,63.9 h1; Top Overlay "4" at 41.4,71 h1; Top Overlay "3" at 38.9,71 h1; Mechanical 13 "4" at 42.167,71.231 h0.95 r90; Mechanical 13 "3" at 39.627,71.231 h0.95 r90; Mechanical 13 "2" at 42.294,64.218 h0.95 r90; Mechanical 13 "1" at 39.754,64.218 h0.95 r90
JP8: Top Overlay "2" at 43.708,68.846 h1; Top Overlay "9" at 58.214,66.306 h1; Top Overlay "10" at 58.214,68.846 h1; Top Overlay "1" at 43.708,66.306 h1; Mechanical 13 "2" at 43.708,68.846 h0.95; Mechanical 13 "1" at 43.708,66.306 h0.95; Mechanical 13 "10" at 58.214,68.846 h0.95; Mechanical 13 "9" at 58.214,66.306 h0.95